# Altium PCB main - Copy.PcbDoc (part 13 of 14)
Units mil, origin at the board's own origin, x right, y up, seen from the top; angles counter-clockwise.
Board outline 8394.55 x 5164.44 mil, 7 copper layers (Top Layer 1, Layer 2, Layer 3, Unused, Layer 4_pow, Layer 5_gnd, Bottom 6+gnd), stack 46.112 mil thick; 406 components, 463 nets, 1919 pads, 903 vias.
Unrouted connection lines stored in the file: 147.
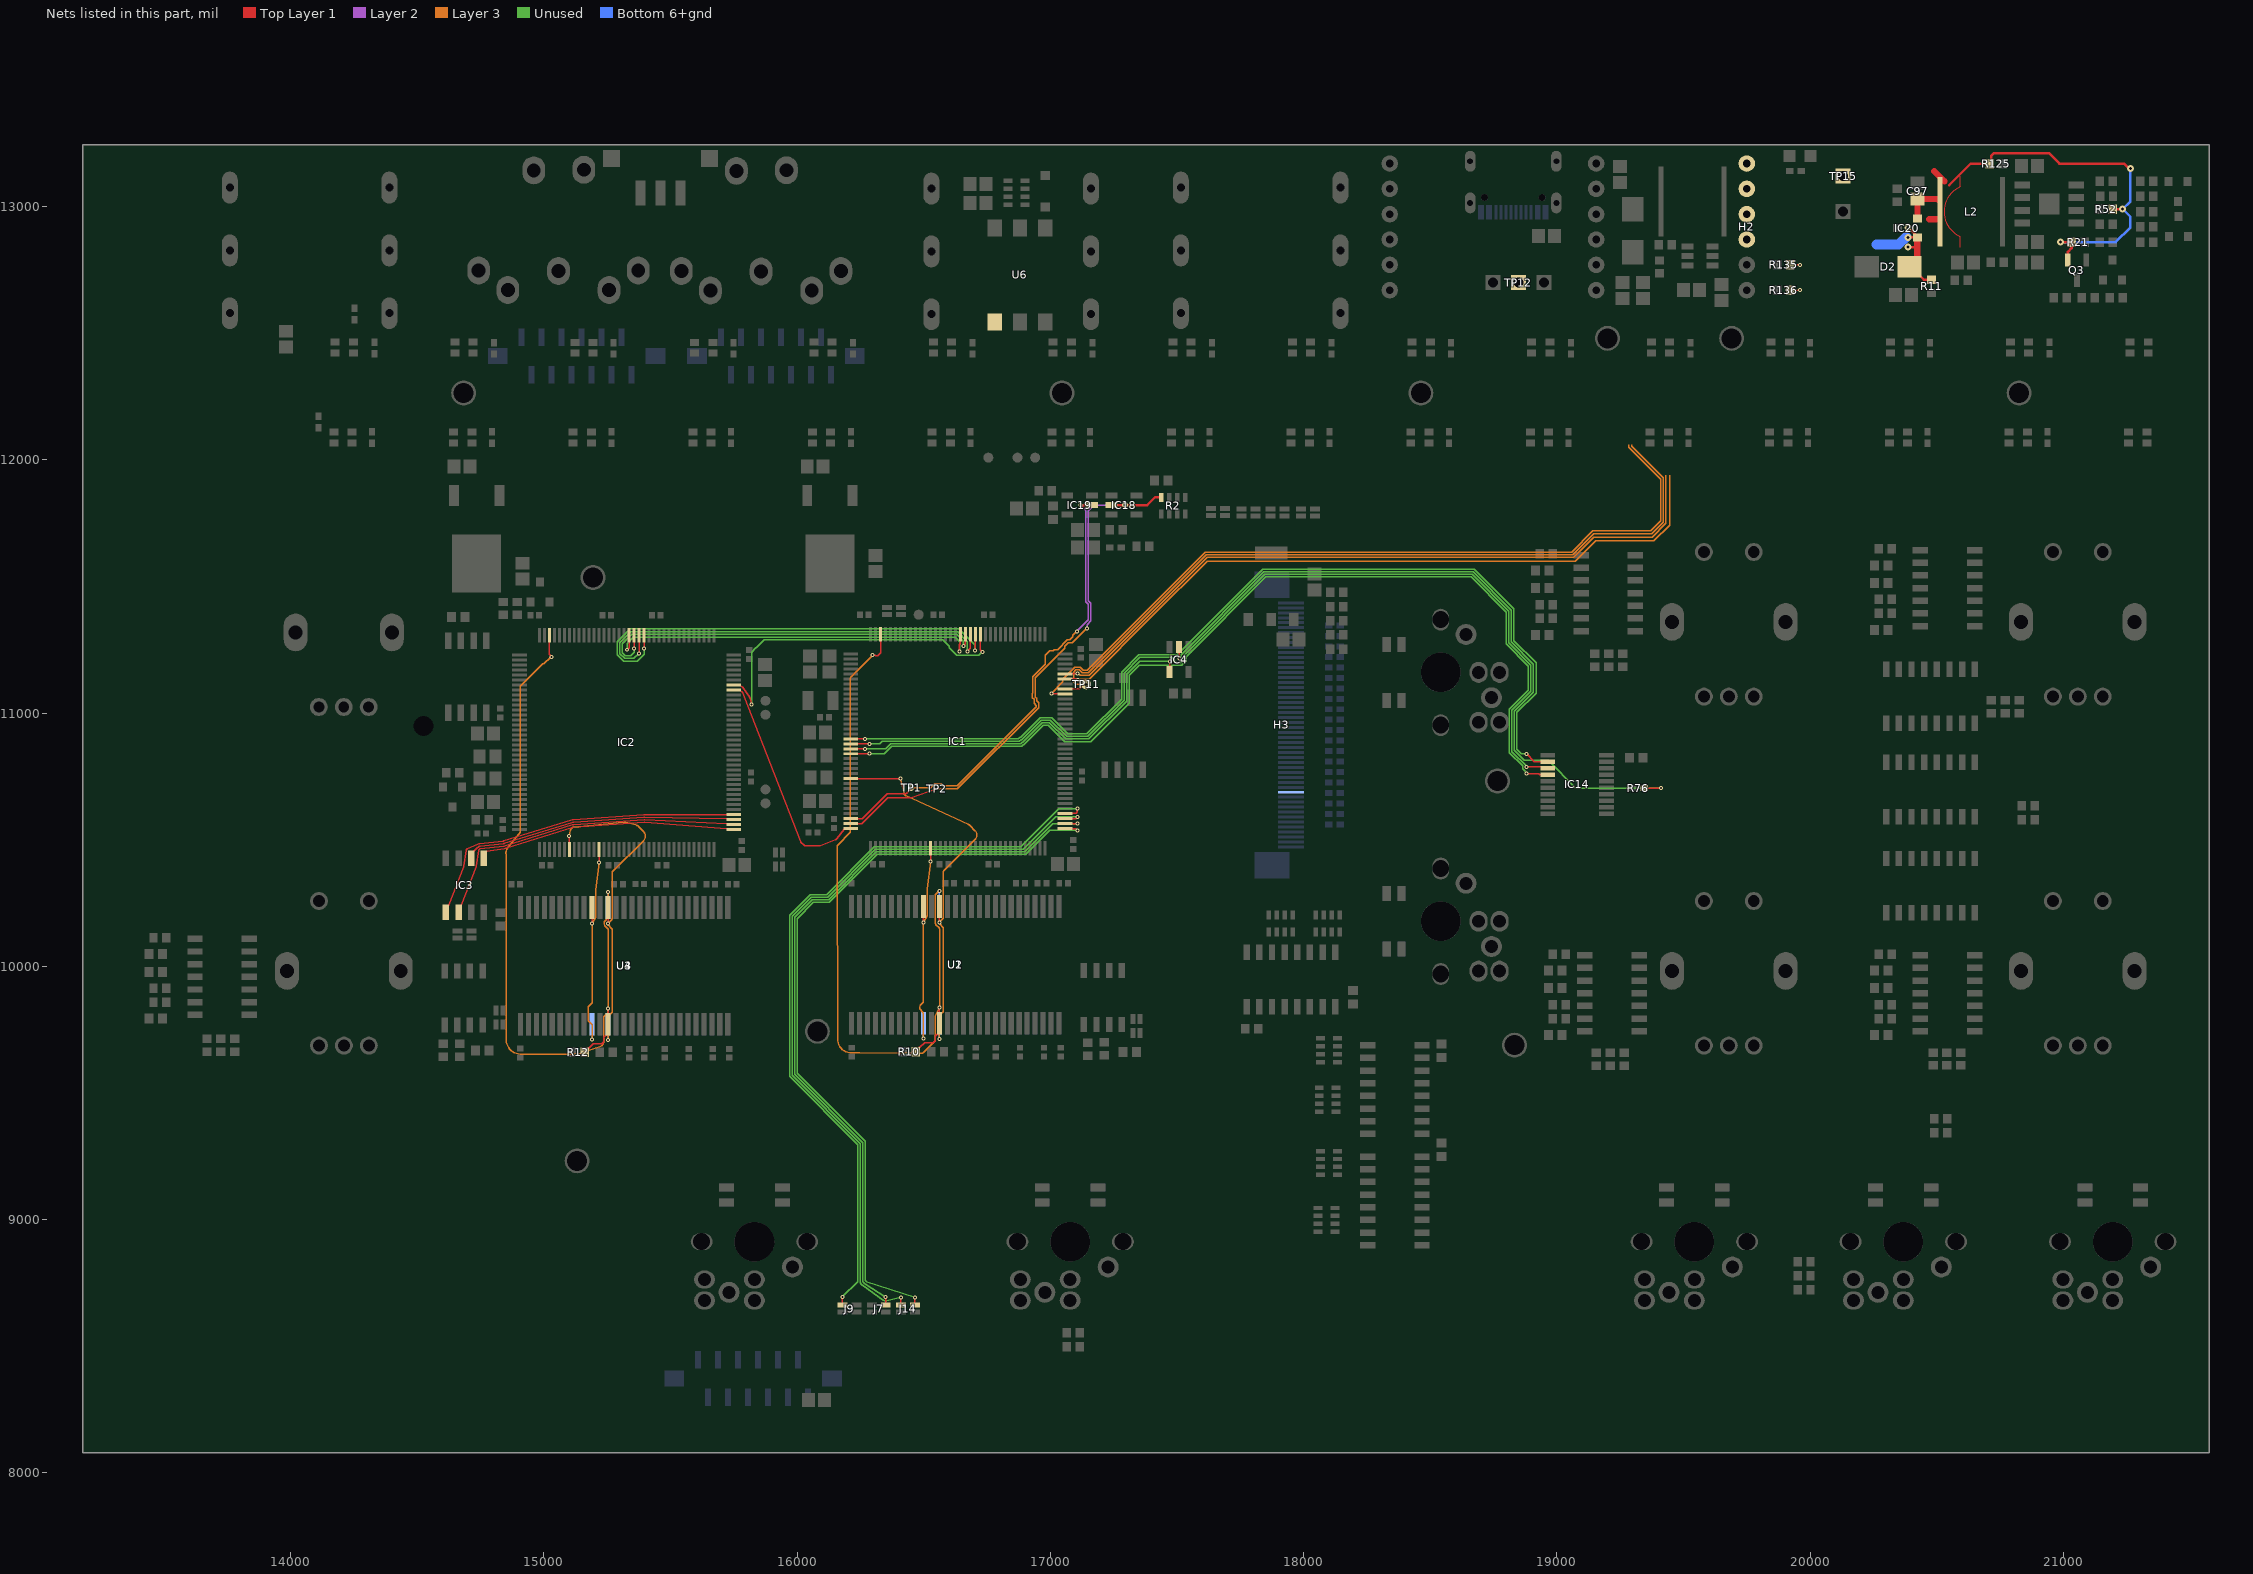
[diagram p17: the nets of this part, all layers, seen from the top]

## Via types
v1: diameter 15.75, hole 7.87, Top Layer 1 to Bottom 6+gnd, tented both sides, 830 vias
v2: diameter 27.56, hole 11.81, Top Layer 1 to Bottom 6+gnd, 45 vias
v3: diameter 23.62/23.62/23.62/23.62/23.62/23.62/23.62 (per signal layer), hole 12, Top Layer 1 to Bottom 6+gnd, tented top, 12 vias
v4: diameter 15.75, hole 7.87, Top Layer 1 to Bottom 6+gnd, 10 vias
v5: diameter 23.62/23.62/23.62/23.62/23.62/23.62/23.62 (per signal layer), hole 12, Top Layer 1 to Bottom 6+gnd, tented bottom, 6 vias

## Nets (pads, with @x,y where several pads share a name; then routed paths per layer and width w, separated by ;. In a path a pad name is that pad's centre, name@x,y a point inside that pad or via, vN(x,y) a via of type N, cw(c..) or ccw(c..) an arc to the next point about the centre after c; other vN are vias at no path point) (continued)
SDNRAS1_7: IC2.49 U3.18 U4.18 | length 997.4
  Top Layer 1 w5: v1@15190.72,10170.19 U3.18@15190.72,10232.03 ; v1(15218.49,10409.41) IC2.49@15218.46,10461.85
  Layer 3 w5: 15189.01,9771.24 15175.59,9784.66 15175.59,9840.83 15190.47,9855.72 v1(15190.47,10169.94) v1@15191.1,10171.08 ; v1(15190.47,9710.68) 15190.44,9767.73 ; v1@15191.16,10171.18 ccw(c15195.47,10168.64) v1@15191.1,10171.08 ; 15205.84,10197.52 15205.84,10301.7 ; v1(15218.49,10409.41) 15205.88,10302.29 ; 15189.04,9771.21 cw(c15185.44,9767.73) 15190.44,9767.73 ; 15189.04,9771.21 cw(c15185.44,9767.73) 15190.44,9767.73 ; 15189.04,9771.21 cw(c15185.44,9767.73) 15190.44,9767.73 ; 15189.04,9771.21 cw(c15185.44,9767.73) 15190.44,9767.73 ; 15189.04,9771.21 cw(c15185.44,9767.73) 15190.44,9767.73 ; 15189.04,9771.21 cw(c15185.44,9767.73) 15190.44,9767.73 ; 15189.04,9771.21 cw(c15185.44,9767.73) 15190.44,9767.73 ; 15189.04,9771.21 cw(c15185.44,9767.73) 15190.44,9767.73 ; 15189.04,9771.21 cw(c15185.44,9767.73) 15190.44,9767.73 ; 15189.04,9771.21 cw(c15185.44,9767.73) 15190.44,9767.73 ; 15189.04,9771.21 cw(c15185.44,9767.73) 15190.44,9767.73 ; 15189.04,9771.21 cw(c15185.44,9767.73) 15190.44,9767.73 ; 15189.04,9771.21 cw(c15185.44,9767.73) 15190.44,9767.73 ; 15189.04,9771.21 cw(c15185.44,9767.73) 15190.44,9767.73 ; 15189.04,9771.21 cw(c15185.44,9767.73) 15190.44,9767.73 ; 15189.04,9771.21 cw(c15185.44,9767.73) 15190.44,9767.73 ; v1@15191.1,10171.08 cw(c15195.47,10168.64) v1@15191.16,10171.17 ; v1@15191.1,10171.08 cw(c15195.47,10168.64) v1@15191.16,10171.17 ; v1@15191.1,10171.08 cw(c15195.47,10168.64) v1@15191.16,10171.17 ; v1@15191.1,10171.08 cw(c15195.47,10168.64) v1@15191.16,10171.17 ; v1@15191.1,10171.08 cw(c15195.47,10168.64) v1@15191.16,10171.17 ; v1@15191.1,10171.08 cw(c15195.47,10168.64) v1@15191.16,10171.17 ; v1@15191.1,10171.08 cw(c15195.47,10168.64) v1@15191.16,10171.17 ; v1@15191.1,10171.08 cw(c15195.47,10168.64) v1@15191.16,10171.17 ; v1@15191.1,10171.08 cw(c15195.47,10168.64) v1@15191.16,10171.17 ; v1@15191.1,10171.08 cw(c15195.47,10168.64) v1@15191.16,10171.17 ; v1@15191.1,10171.08 cw(c15195.47,10168.64) v1@15191.16,10171.17 ; v1@15191.1,10171.08 cw(c15195.47,10168.64) v1@15191.16,10171.17 ; v1@15191.1,10171.08 cw(c15195.47,10168.64) v1@15191.16,10171.17 ; v1@15191.1,10171.08 cw(c15195.47,10168.64) v1@15191.16,10171.17 ; v1@15191.1,10171.08 cw(c15195.47,10168.64) v1@15191.16,10171.17 ; v1@15191.16,10171.17 15205.16,10195.03 ; 15205.16,10195.03 ccw(c15200.84,10197.56) 15205.84,10197.47 ; 15205.16,10195.03 ccw(c15200.84,10197.56) 15205.84,10197.47 ; 15205.16,10195.03 ccw(c15200.84,10197.56) 15205.84,10197.47 ; 15205.16,10195.03 ccw(c15200.84,10197.56) 15205.84,10197.47 ; 15205.16,10195.03 ccw(c15200.84,10197.56) 15205.84,10197.47 ; 15205.16,10195.03 ccw(c15200.84,10197.56) 15205.84,10197.47 ; 15205.16,10195.03 ccw(c15200.84,10197.56) 15205.84,10197.47 ; 15205.16,10195.03 ccw(c15200.84,10197.56) 15205.84,10197.47 ; 15205.16,10195.03 ccw(c15200.84,10197.56) 15205.84,10197.47 ; 15205.16,10195.03 ccw(c15200.84,10197.56) 15205.84,10197.47 ; 15205.16,10195.03 ccw(c15200.84,10197.56) 15205.84,10197.47 ; 15205.16,10195.03 ccw(c15200.84,10197.56) 15205.84,10197.47 ; 15205.16,10195.03 ccw(c15200.84,10197.56) 15205.84,10197.47 ; 15205.16,10195.03 ccw(c15200.84,10197.56) 15205.84,10197.47 ; 15205.16,10195.03 ccw(c15200.84,10197.56) 15205.84,10197.47 ; 15205.16,10195.03 ccw(c15200.84,10197.56) 15205.84,10197.47 ; 15205.84,10301.7 cw(c15210.85,10301.7) 15205.88,10302.29 ; 15205.84,10301.7 cw(c15210.85,10301.7) 15205.88,10302.29 ; 15205.84,10301.7 cw(c15210.85,10301.7) 15205.88,10302.29 ; 15205.84,10301.7 cw(c15210.85,10301.7) 15205.88,10302.29 ; 15205.84,10301.7 cw(c15210.85,10301.7) 15205.88,10302.29 ; 15205.84,10301.7 cw(c15210.85,10301.7) 15205.88,10302.29 ; 15205.84,10301.7 cw(c15210.85,10301.7) 15205.88,10302.29 ; 15205.84,10301.7 cw(c15210.85,10301.7) 15205.88,10302.29 ; 15205.84,10301.7 cw(c15210.85,10301.7) 15205.88,10302.29 ; 15205.84,10301.7 cw(c15210.85,10301.7) 15205.88,10302.29 ; 15205.84,10301.7 cw(c15210.85,10301.7) 15205.88,10302.29 ; 15205.84,10301.7 cw(c15210.85,10301.7) 15205.88,10302.29 ; 15205.84,10301.7 cw(c15210.85,10301.7) 15205.88,10302.29 ; 15205.84,10301.7 cw(c15210.85,10301.7) 15205.88,10302.29 ; 15205.84,10301.7 cw(c15210.85,10301.7) 15205.88,10302.29 ; 15205.84,10301.7 cw(c15210.85,10301.7) 15205.88,10302.29
  Bottom 6+gnd w5: v1(15190.47,9710.68) 15190.47,9771.15 U4.18@15190.72,9771.4
SDNRAS_6: IC1.49 U1.18 U2.18 | length 1102.4
  Top Layer 1 w5: v1(16498.77,10174.13) U1.18@16498.77,10235.97 ; v1@16499.02,10174.38 U1.18@16499.02,10236.22 ; v1(16526.79,10413.6) IC1.49@16526.76,10466.04
  Layer 3 w5: v1(16498.77,9714.87) 16498.77,9812.06 ; 16498.77,9861.98 v1(16498.77,10174.13) v1@16499.4,10175.27 ; 16514.14,10201.71 16514.14,10305.89 ; v1(16526.79,10413.6) 16514.18,10306.48 ; 16497.49,9858.68 ccw(c16493.77,9862.02) 16498.77,9861.93 ; 16497.49,9858.68 ccw(c16493.77,9862.02) 16498.77,9861.93 ; 16497.49,9858.68 ccw(c16493.77,9862.02) 16498.77,9861.93 ; 16497.49,9858.68 ccw(c16493.77,9862.02) 16498.77,9861.93 ; 16497.49,9858.68 ccw(c16493.77,9862.02) 16498.77,9861.93 ; 16497.49,9858.68 ccw(c16493.77,9862.02) 16498.77,9861.93 ; 16497.49,9858.68 ccw(c16493.77,9862.02) 16498.77,9861.93 ; 16497.49,9858.68 ccw(c16493.77,9862.02) 16498.77,9861.93 ; 16497.49,9858.68 ccw(c16493.77,9862.02) 16498.77,9861.93 ; 16497.49,9858.68 ccw(c16493.77,9862.02) 16498.77,9861.93 ; 16497.49,9858.68 ccw(c16493.77,9862.02) 16498.77,9861.93 ; 16497.49,9858.68 ccw(c16493.77,9862.02) 16498.77,9861.93 ; 16497.49,9858.68 ccw(c16493.77,9862.02) 16498.77,9861.93 ; 16497.49,9858.68 ccw(c16493.77,9862.02) 16498.77,9861.93 ; 16497.49,9858.68 ccw(c16493.77,9862.02) 16498.77,9861.93 ; 16497.49,9858.68 ccw(c16493.77,9862.02) 16498.77,9861.93 ; 16497.49,9858.68 16487.84,9847.96 ccw(c16499.26,9837.68) 16487.29,9828.03 16497.66,9815.15 ; 16497.66,9815.15 cw(c16493.77,9812.02) 16498.77,9812.11 ; 16497.66,9815.15 cw(c16493.77,9812.02) 16498.77,9812.11 ; 16497.66,9815.15 cw(c16493.77,9812.02) 16498.77,9812.11 ; 16497.66,9815.15 cw(c16493.77,9812.02) 16498.77,9812.11 ; 16497.66,9815.15 cw(c16493.77,9812.02) 16498.77,9812.11 ; 16497.66,9815.15 cw(c16493.77,9812.02) 16498.77,9812.11 ; 16497.66,9815.15 cw(c16493.77,9812.02) 16498.77,9812.11 ; 16497.66,9815.15 cw(c16493.77,9812.02) 16498.77,9812.11 ; 16497.66,9815.15 cw(c16493.77,9812.02) 16498.77,9812.11 ; 16497.66,9815.15 cw(c16493.77,9812.02) 16498.77,9812.11 ; 16497.66,9815.15 cw(c16493.77,9812.02) 16498.77,9812.11 ; 16497.66,9815.15 cw(c16493.77,9812.02) 16498.77,9812.11 ; 16497.66,9815.15 cw(c16493.77,9812.02) 16498.77,9812.11 ; 16497.66,9815.15 cw(c16493.77,9812.02) 16498.77,9812.11 ; 16497.66,9815.15 cw(c16493.77,9812.02) 16498.77,9812.11 ; 16497.66,9815.15 cw(c16493.77,9812.02) 16498.77,9812.11 ; v1@16499.4,10175.27 cw(c16503.77,10172.83) v1@16499.46,10175.36 ; v1@16499.4,10175.27 cw(c16503.77,10172.83) v1@16499.46,10175.36 ; v1@16499.4,10175.27 cw(c16503.77,10172.83) v1@16499.46,10175.36 ; v1@16499.4,10175.27 cw(c16503.77,10172.83) v1@16499.46,10175.36 ; v1@16499.4,10175.27 cw(c16503.77,10172.83) v1@16499.46,10175.37 ; v1@16499.4,10175.27 cw(c16503.77,10172.83) v1@16499.46,10175.36 ; v1@16499.4,10175.27 cw(c16503.77,10172.83) v1@16499.46,10175.36 ; v1@16499.4,10175.27 cw(c16503.77,10172.83) v1@16499.46,10175.36 ; v1@16499.4,10175.27 cw(c16503.77,10172.83) v1@16499.46,10175.36 ; v1@16499.4,10175.27 cw(c16503.77,10172.83) v1@16499.46,10175.36 ; v1@16499.4,10175.27 cw(c16503.77,10172.83) v1@16499.46,10175.36 ; v1@16499.4,10175.27 cw(c16503.77,10172.83) v1@16499.46,10175.36 ; v1@16499.4,10175.27 cw(c16503.77,10172.83) v1@16499.46,10175.36 ; v1@16499.4,10175.27 cw(c16503.77,10172.83) v1@16499.46,10175.36 ; v1@16499.4,10175.27 cw(c16503.77,10172.83) v1@16499.46,10175.36 ; v1@16499.4,10175.27 cw(c16503.77,10172.83) v1@16499.46,10175.36 ; v1@16499.46,10175.36 16513.46,10199.22 ; 16513.46,10199.22 ccw(c16509.14,10201.75) 16514.14,10201.66 ; 16513.46,10199.22 ccw(c16509.14,10201.75) 16514.14,10201.66 ; 16513.46,10199.22 ccw(c16509.14,10201.75) 16514.14,10201.66 ; 16513.46,10199.22 ccw(c16509.14,10201.75) 16514.14,10201.66 ; 16513.46,10199.22 ccw(c16509.14,10201.75) 16514.14,10201.66 ; 16513.46,10199.22 ccw(c16509.14,10201.75) 16514.14,10201.66 ; 16513.46,10199.22 ccw(c16509.14,10201.75) 16514.14,10201.66 ; 16513.46,10199.22 ccw(c16509.14,10201.75) 16514.14,10201.66 ; 16513.46,10199.22 ccw(c16509.14,10201.75) 16514.14,10201.66 ; 16513.46,10199.22 ccw(c16509.14,10201.75) 16514.14,10201.66 ; 16513.46,10199.22 ccw(c16509.14,10201.75) 16514.14,10201.66 ; 16513.46,10199.22 ccw(c16509.14,10201.75) 16514.14,10201.66 ; 16513.46,10199.22 ccw(c16509.14,10201.75) 16514.14,10201.66 ; 16513.46,10199.22 ccw(c16509.14,10201.75) 16514.14,10201.66 ; 16513.46,10199.22 ccw(c16509.14,10201.75) 16514.14,10201.66 ; 16513.46,10199.22 ccw(c16509.14,10201.75) 16514.14,10201.66 ; 16514.14,10305.89 cw(c16519.15,10305.89) 16514.18,10306.48 ; 16514.14,10305.89 cw(c16519.15,10305.89) 16514.18,10306.48 ; 16514.14,10305.89 cw(c16519.15,10305.89) 16514.18,10306.48 ; 16514.14,10305.89 cw(c16519.15,10305.89) 16514.18,10306.48 ; 16514.14,10305.89 cw(c16519.15,10305.89) 16514.18,10306.48 ; 16514.14,10305.89 cw(c16519.15,10305.89) 16514.18,10306.48 ; 16514.14,10305.89 cw(c16519.15,10305.89) 16514.18,10306.48 ; 16514.14,10305.89 cw(c16519.15,10305.89) 16514.18,10306.48 ; 16514.14,10305.89 cw(c16519.15,10305.89) 16514.18,10306.48 ; 16514.14,10305.89 cw(c16519.15,10305.89) 16514.18,10306.48 ; 16514.14,10305.89 cw(c16519.15,10305.89) 16514.18,10306.48 ; 16514.14,10305.89 cw(c16519.15,10305.89) 16514.18,10306.48 ; 16514.14,10305.89 cw(c16519.15,10305.89) 16514.18,10306.48 ; 16514.14,10305.89 cw(c16519.15,10305.89) 16514.18,10306.48 ; 16514.14,10305.89 cw(c16519.15,10305.89) 16514.18,10306.48 ; 16514.14,10305.89 cw(c16519.15,10305.89) 16514.18,10306.48
  Bottom 6+gnd w5: v1(16498.77,9714.87) 16498.77,9775.34 U2.18@16499.02,9775.59
SDNWE1_7: IC2.43 U3.16 U4.16 | length 2368
  Top Layer 1 w5: IC2.43@15100.32,10461.87 v1@15100.32,10514.16 ; v1@15253.71,10170.19 U3.16@15253.71,10232.03
  Layer 3 w5: v1(15100.09,10514.39) 15105.05,10537.61 cw(c15120.09,10534.39) 15118.51,10549.69 15314.1,10569.87 cw(c15316.7,10544.63) 15323.05,10569.2 15362.66,10558.96 ; v1(15253.46,9709.31) 15253.46,9803 15269.58,9819.12 15269.58,10145.78 ; 15269.15,10187.7 15269.15,10369.91 cw(c15274.15,10369.91) 15270.6,10373.43 15393.65,10496.48 ; v1@15253.46,10167.87 ccw(c15258.46,10167.88) v1@15254.7,10164.58 ; v1@15253.46,10167.87 ccw(c15258.46,10167.88) v1@15254.7,10164.58 ; v1@15253.46,10167.87 ccw(c15258.46,10167.88) v1@15254.7,10164.58 ; v1@15253.46,10167.87 ccw(c15258.46,10167.88) v1@15254.7,10164.58 ; v1@15253.46,10167.87 ccw(c15258.46,10167.88) v1@15254.7,10164.58 ; v1@15253.46,10167.87 ccw(c15258.46,10167.88) v1@15254.7,10164.58 ; v1@15253.46,10167.87 ccw(c15258.46,10167.88) v1@15254.7,10164.58 ; v1@15253.46,10167.87 ccw(c15258.46,10167.88) v1@15254.7,10164.58 ; v1@15253.46,10167.87 ccw(c15258.46,10167.88) v1@15254.7,10164.58 ; v1@15253.46,10167.87 ccw(c15258.46,10167.88) v1@15254.7,10164.58 ; v1@15253.46,10167.87 ccw(c15258.46,10167.88) v1@15254.7,10164.58 ; v1@15253.46,10167.87 ccw(c15258.46,10167.88) v1@15254.7,10164.58 ; v1@15253.46,10167.87 ccw(c15258.46,10167.88) v1@15254.7,10164.58 ; v1@15253.46,10167.87 ccw(c15258.46,10167.88) v1@15254.7,10164.58 ; v1@15253.46,10167.87 ccw(c15258.46,10167.88) v1@15254.7,10164.58 ; v1@15253.46,10167.87 ccw(c15258.46,10167.88) v1@15254.7,10164.58 ; v1@15253.46,10167.87 v1(15253.46,10169.94) 15267.69,10184.22 ; v1@15254.7,10164.58 15268.34,10149.04 ; 15267.69,10184.22 ccw(c15264.15,10187.75) 15269.15,10187.66 ; 15267.69,10184.22 ccw(c15264.15,10187.75) 15269.15,10187.66 ; 15267.69,10184.22 ccw(c15264.15,10187.75) 15269.15,10187.66 ; 15267.69,10184.22 ccw(c15264.15,10187.75) 15269.15,10187.66 ; 15267.69,10184.22 ccw(c15264.15,10187.75) 15269.15,10187.66 ; 15267.69,10184.22 ccw(c15264.15,10187.75) 15269.15,10187.66 ; 15267.69,10184.22 ccw(c15264.15,10187.75) 15269.15,10187.66 ; 15267.69,10184.22 ccw(c15264.15,10187.75) 15269.15,10187.66 ; 15267.69,10184.22 ccw(c15264.15,10187.75) 15269.15,10187.66 ; 15267.69,10184.22 ccw(c15264.15,10187.75) 15269.15,10187.66 ; 15267.69,10184.22 ccw(c15264.15,10187.75) 15269.15,10187.66 ; 15267.69,10184.22 ccw(c15264.15,10187.75) 15269.15,10187.66 ; 15267.69,10184.22 ccw(c15264.15,10187.75) 15269.15,10187.66 ; 15267.69,10184.22 ccw(c15264.15,10187.75) 15269.15,10187.66 ; 15267.69,10184.22 ccw(c15264.15,10187.75) 15269.15,10187.66 ; 15267.69,10184.22 ccw(c15264.15,10187.75) 15269.15,10187.66 ; 15268.34,10149.04 cw(c15264.58,10145.74) 15269.58,10145.83 ; 15268.34,10149.04 cw(c15264.58,10145.74) 15269.58,10145.83 ; 15268.34,10149.04 cw(c15264.58,10145.74) 15269.58,10145.83 ; 15268.34,10149.04 cw(c15264.58,10145.74) 15269.58,10145.83 ; 15268.34,10149.04 cw(c15264.58,10145.74) 15269.58,10145.83 ; 15268.34,10149.04 cw(c15264.58,10145.74) 15269.58,10145.83 ; 15268.34,10149.04 cw(c15264.58,10145.74) 15269.58,10145.83 ; 15268.34,10149.04 cw(c15264.58,10145.74) 15269.58,10145.83 ; 15268.34,10149.04 cw(c15264.58,10145.74) 15269.58,10145.83 ; 15268.34,10149.04 cw(c15264.58,10145.74) 15269.58,10145.83 ; 15268.34,10149.04 cw(c15264.58,10145.74) 15269.58,10145.83 ; 15268.34,10149.04 cw(c15264.58,10145.74) 15269.58,10145.83 ; 15268.34,10149.04 cw(c15264.58,10145.74) 15269.58,10145.83 ; 15268.34,10149.04 cw(c15264.58,10145.74) 15269.58,10145.83 ; 15268.34,10149.04 cw(c15264.58,10145.74) 15269.58,10145.83 ; 15268.34,10149.04 cw(c15264.58,10145.74) 15269.58,10145.83 ; 15362.66,10558.96 cw(c15356.31,10534.39) 15374.54,10552.04 ; 15362.66,10558.96 cw(c15356.31,10534.39) 15374.54,10552.04 ; 15362.66,10558.96 cw(c15356.31,10534.39) 15374.54,10552.04 ; 15362.66,10558.96 cw(c15356.31,10534.39) 15374.54,10552.04 ; 15362.66,10558.96 cw(c15356.31,10534.39) 15374.54,10552.04 ; 15362.66,10558.96 cw(c15356.31,10534.39) 15374.54,10552.04 ; 15362.66,10558.96 cw(c15356.31,10534.39) 15374.54,10552.04 ; 15362.66,10558.96 cw(c15356.31,10534.39) 15374.54,10552.04 ; 15362.66,10558.96 cw(c15356.31,10534.39) 15374.54,10552.04 ; 15362.66,10558.96 cw(c15356.31,10534.39) 15374.54,10552.04 ; 15362.66,10558.96 cw(c15356.31,10534.39) 15374.54,10552.04 ; 15362.66,10558.96 cw(c15356.31,10534.39) 15374.54,10552.04 ; 15362.66,10558.96 cw(c15356.31,10534.39) 15374.54,10552.04 ; 15362.66,10558.96 cw(c15356.31,10534.39) 15374.54,10552.04 ; 15362.66,10558.96 cw(c15356.31,10534.39) 15374.54,10552.04 ; 15362.66,10558.96 cw(c15356.31,10534.39) 15374.54,10552.04 ; 15374.54,10552.04 15393.9,10532.04 ; 15393.65,10496.48 ccw(c15375.68,10514.39) 15393.9,10532.05 ; 15393.65,10496.48 ccw(c15375.68,10514.39) 15393.9,10532.04 ; 15393.65,10496.48 ccw(c15375.68,10514.39) 15393.9,10532.04 ; 15393.65,10496.48 ccw(c15375.68,10514.39) 15393.9,10532.04 ; 15393.65,10496.48 ccw(c15375.68,10514.39) 15393.9,10532.04 ; 15393.65,10496.48 ccw(c15375.68,10514.39) 15393.9,10532.04 ; 15393.65,10496.48 ccw(c15375.68,10514.39) 15393.9,10532.04 ; 15393.65,10496.48 ccw(c15375.68,10514.39) 15393.9,10532.04 ; 15393.65,10496.48 ccw(c15375.68,10514.39) 15393.9,10532.04 ; 15393.65,10496.48 ccw(c15375.68,10514.39) 15393.9,10532.04 ; 15393.65,10496.48 ccw(c15375.68,10514.39) 15393.9,10532.04 ; 15393.65,10496.48 ccw(c15375.68,10514.39) 15393.9,10532.04 ; 15393.65,10496.48 ccw(c15375.68,10514.39) 15393.9,10532.04 ; 15393.65,10496.48 ccw(c15375.68,10514.39) 15393.9,10532.04 ; 15393.65,10496.48 ccw(c15375.68,10514.39) 15393.9,10532.04 ; 15393.65,10496.48 ccw(c15375.68,10514.39) 15393.9,10532.04
  Bottom 6+gnd w5: v1@15253.71,9709.56 U4.16@15253.71,9771.4
SDNWE_6: IC1.26 U1.16 U2.16 | length 2408.3
  Top Layer 1 w5: IC1.26@16212.26,10741.2 16406.98,10741.2 v1(16407.89,10742.1) ; v1@16562.01,10174.38 U1.16@16562.01,10236.22
  Layer 3 w5: v1(16407.89,10742.1) 16422.16,10683.52 ccw(c16437.09,10687.2) 16430.7,10673.22 16675.14,10561.67 cw(c16664.61,10538.58) 16682.83,10556.24 16702.2,10536.23 ; v1(16561.76,9713.5) 16561.76,9805.11 cw(c16566.76,9805.12) 16563.21,9808.63 16576.43,9821.89 ; v1@16562.99,10168.77 16576.64,10153.23 ; 16577.45,10191.89 16577.45,10374.1 cw(c16582.45,10374.1) 16578.9,10377.62 16701.95,10500.67 ; 16577.88,9825.38 16577.88,10149.97 ; v1@16561.76,10172.06 ccw(c16566.76,10172.06) v1@16562.99,10168.78 ; v1@16561.76,10172.06 ccw(c16566.76,10172.06) v1@16562.99,10168.78 ; v1@16561.76,10172.06 ccw(c16566.76,10172.06) v1@16562.99,10168.78 ; v1@16561.76,10172.06 ccw(c16566.76,10172.06) v1@16562.99,10168.78 ; v1@16561.76,10172.06 ccw(c16566.76,10172.06) v1@16562.99,10168.78 ; v1@16561.76,10172.06 ccw(c16566.76,10172.06) v1@16562.99,10168.78 ; v1@16561.76,10172.06 ccw(c16566.76,10172.06) v1@16562.99,10168.78 ; v1@16561.76,10172.06 ccw(c16566.76,10172.06) v1@16562.99,10168.78 ; v1@16561.76,10172.06 ccw(c16566.76,10172.06) v1@16562.99,10168.78 ; v1@16561.76,10172.06 ccw(c16566.76,10172.06) v1@16562.99,10168.78 ; v1@16561.76,10172.06 ccw(c16566.76,10172.06) v1@16562.99,10168.78 ; v1@16561.76,10172.06 ccw(c16566.76,10172.06) v1@16562.99,10168.78 ; v1@16561.76,10172.06 ccw(c16566.76,10172.06) v1@16562.99,10168.78 ; v1@16561.76,10172.06 ccw(c16566.76,10172.06) v1@16562.99,10168.78 ; v1@16561.76,10172.06 ccw(c16566.76,10172.06) v1@16562.99,10168.78 ; v1@16561.76,10172.06 ccw(c16566.76,10172.06) v1@16562.99,10168.78 ; v1@16561.76,10172.06 v1(16561.76,10174.13) 16575.99,10188.41 ; 16575.99,10188.41 ccw(c16572.45,10191.94) 16577.45,10191.85 ; 16575.99,10188.41 ccw(c16572.45,10191.94) 16577.45,10191.85 ; 16575.99,10188.41 ccw(c16572.45,10191.94) 16577.45,10191.85 ; 16575.99,10188.41 ccw(c16572.45,10191.94) 16577.45,10191.85 ; 16575.99,10188.41 ccw(c16572.45,10191.94) 16577.45,10191.85 ; 16575.99,10188.41 ccw(c16572.45,10191.94) 16577.45,10191.85 ; 16575.99,10188.41 ccw(c16572.45,10191.94) 16577.45,10191.85 ; 16575.99,10188.41 ccw(c16572.45,10191.94) 16577.45,10191.85 ; 16575.99,10188.41 ccw(c16572.45,10191.94) 16577.45,10191.85 ; 16575.99,10188.41 ccw(c16572.45,10191.94) 16577.45,10191.85 ; 16575.99,10188.41 ccw(c16572.45,10191.94) 16577.45,10191.85 ; 16575.99,10188.41 ccw(c16572.45,10191.94) 16577.45,10191.85 ; 16575.99,10188.41 ccw(c16572.45,10191.94) 16577.45,10191.85 ; 16575.99,10188.41 ccw(c16572.45,10191.94) 16577.45,10191.85 ; 16575.99,10188.41 ccw(c16572.45,10191.94) 16577.45,10191.85 ; 16575.99,10188.41 ccw(c16572.45,10191.94) 16577.45,10191.85 ; 16576.43,9821.89 ccw(c16572.88,9825.42) 16577.88,9825.33 ; 16576.43,9821.89 ccw(c16572.88,9825.42) 16577.88,9825.33 ; 16576.43,9821.89 ccw(c16572.88,9825.42) 16577.88,9825.33 ; 16576.43,9821.89 ccw(c16572.88,9825.42) 16577.88,9825.33 ; 16576.43,9821.89 ccw(c16572.88,9825.42) 16577.88,9825.33 ; 16576.43,9821.89 ccw(c16572.88,9825.42) 16577.88,9825.33 ; 16576.43,9821.89 ccw(c16572.88,9825.42) 16577.88,9825.33 ; 16576.43,9821.89 ccw(c16572.88,9825.42) 16577.88,9825.33 ; 16576.43,9821.89 ccw(c16572.88,9825.42) 16577.88,9825.33 ; 16576.43,9821.89 ccw(c16572.88,9825.42) 16577.88,9825.33 ; 16576.43,9821.89 ccw(c16572.88,9825.42) 16577.88,9825.33 ; 16576.43,9821.89 ccw(c16572.88,9825.42) 16577.88,9825.33 ; 16576.43,9821.89 ccw(c16572.88,9825.42) 16577.88,9825.33 ; 16576.43,9821.89 ccw(c16572.88,9825.42) 16577.88,9825.33 ; 16576.43,9821.89 ccw(c16572.88,9825.42) 16577.88,9825.33 ; 16576.43,9821.89 ccw(c16572.88,9825.42) 16577.88,9825.33 ; 16576.64,10153.23 cw(c16572.88,10149.93) 16577.88,10150.02 ; 16576.64,10153.23 cw(c16572.88,10149.93) 16577.88,10150.02 ; 16576.64,10153.23 cw(c16572.88,10149.93) 16577.88,10150.02 ; 16576.64,10153.23 cw(c16572.88,10149.93) 16577.88,10150.02 ; 16576.64,10153.23 cw(c16572.88,10149.93) 16577.88,10150.02 ; 16576.64,10153.23 cw(c16572.88,10149.93) 16577.88,10150.02 ; 16576.64,10153.23 cw(c16572.88,10149.93) 16577.88,10150.02 ; 16576.64,10153.23 cw(c16572.88,10149.93) 16577.88,10150.02 ; 16576.64,10153.23 cw(c16572.88,10149.93) 16577.88,10150.02 ; 16576.64,10153.23 cw(c16572.88,10149.93) 16577.88,10150.02 ; 16576.64,10153.23 cw(c16572.88,10149.93) 16577.88,10150.02 ; 16576.64,10153.23 cw(c16572.88,10149.93) 16577.88,10150.02 ; 16576.64,10153.23 cw(c16572.88,10149.93) 16577.88,10150.02 ; 16576.64,10153.23 cw(c16572.88,10149.93) 16577.88,10150.02 ; 16576.64,10153.23 cw(c16572.88,10149.93) 16577.88,10150.02 ; 16576.64,10153.23 cw(c16572.88,10149.93) 16577.88,10150.02 ; 16701.95,10500.67 ccw(c16683.98,10518.58) 16702.2,10536.23 ; 16701.95,10500.67 ccw(c16683.98,10518.58) 16702.2,10536.23 ; 16701.95,10500.67 ccw(c16683.98,10518.58) 16702.2,10536.23 ; 16701.95,10500.67 ccw(c16683.98,10518.58) 16702.2,10536.23 ; 16701.95,10500.67 ccw(c16683.98,10518.58) 16702.2,10536.23 ; 16701.95,10500.67 ccw(c16683.98,10518.58) 16702.2,10536.24 ; 16701.95,10500.67 ccw(c16683.98,10518.58) 16702.2,10536.23 ; 16701.95,10500.67 ccw(c16683.98,10518.58) 16702.2,10536.23 ; 16701.95,10500.67 ccw(c16683.98,10518.58) 16702.2,10536.23 ; 16701.95,10500.67 ccw(c16683.98,10518.58) 16702.2,10536.23 ; 16701.95,10500.67 ccw(c16683.98,10518.58) 16702.2,10536.23 ; 16701.95,10500.67 ccw(c16683.98,10518.58) 16702.2,10536.23 ; 16701.95,10500.67 ccw(c16683.98,10518.58) 16702.2,10536.23 ; 16701.95,10500.67 ccw(c16683.98,10518.58) 16702.2,10536.23 ; 16701.95,10500.67 ccw(c16683.98,10518.58) 16702.2,10536.23 ; 16701.95,10500.67 ccw(c16683.98,10518.58) 16702.2,10536.23